# Altium PCB PCB1_done2.PcbDoc (part 3 of 3)
Units mil, origin at the board's own origin, x right, y up, seen from the top; angles counter-clockwise.
Board outline 3550 x 3775.2 mil, 8 copper layers (Top Layer, Top Signal Layer, Vbat-chrg, Internal Plane 1, GND-nBat, Internal Plane 2, Bottom Signal Layer, Bottom Layer), stack 71.302 mil thick; 235 components, 254 nets, 1011 pads, 192 vias.
Unrouted connection lines stored in the file: 5.
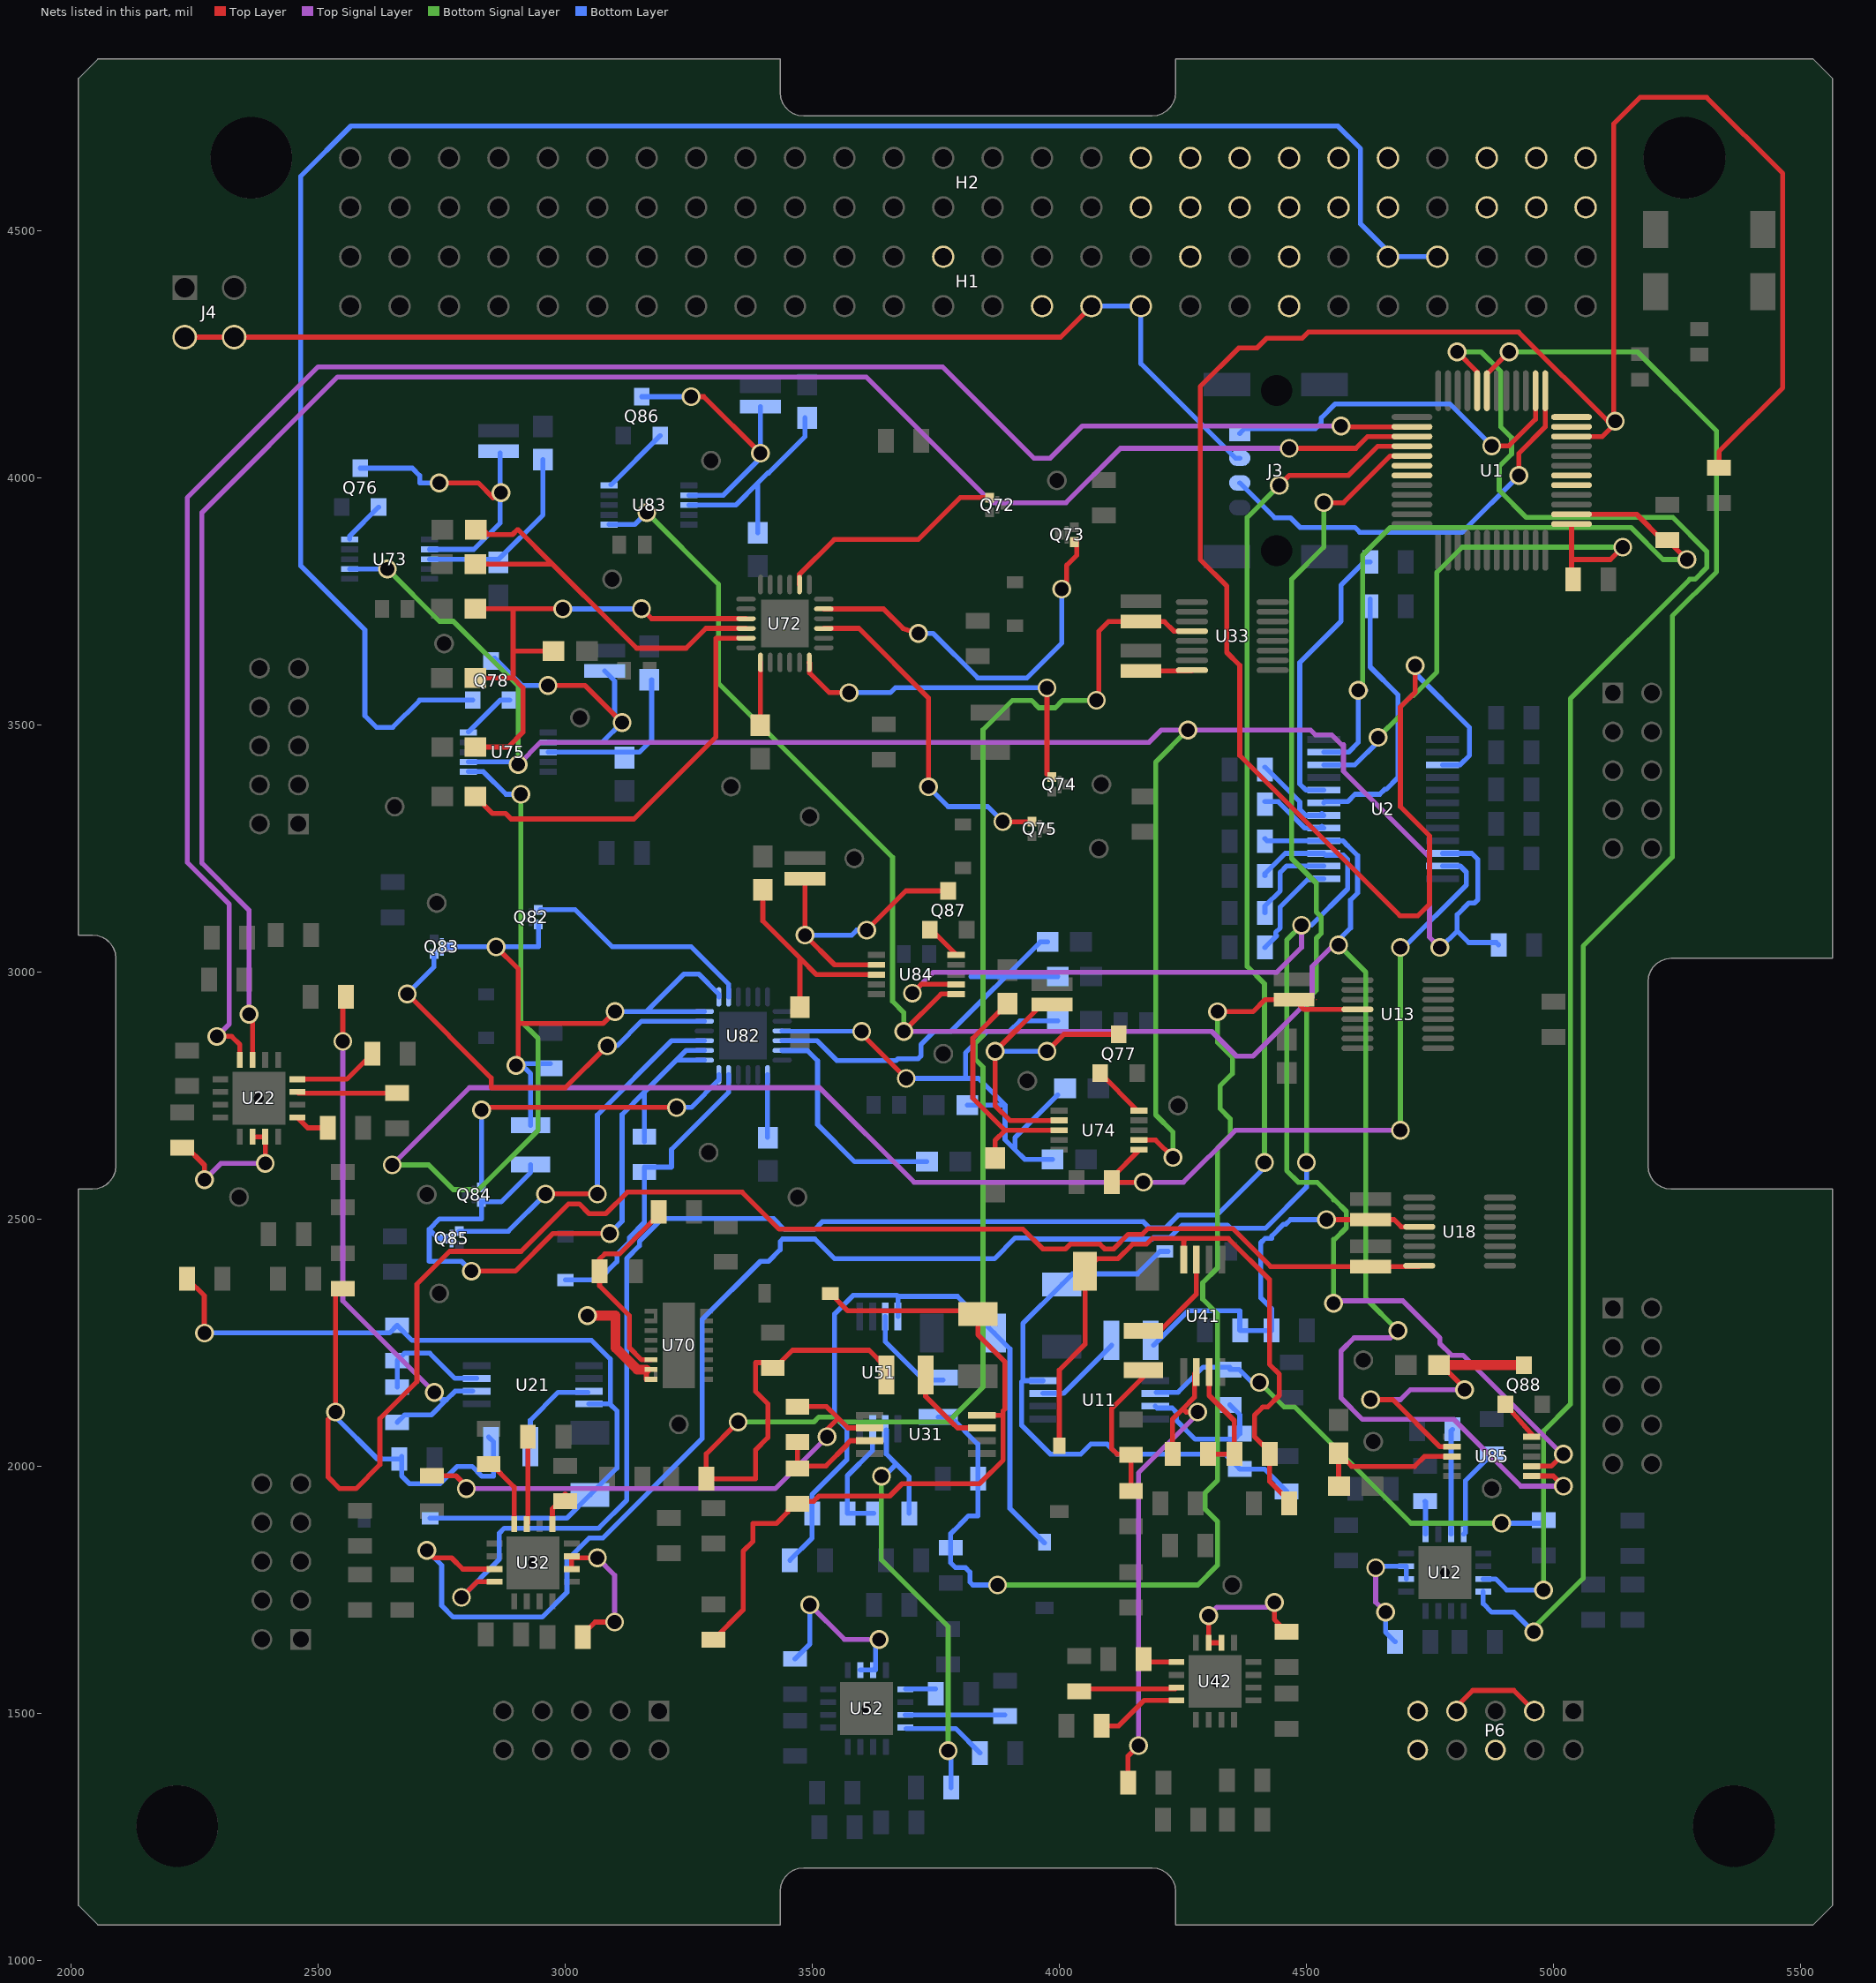
[diagram p9: the nets of this part, all layers, seen from the top]

## Via types
v1: diameter 38, hole 28, Top Layer to Bottom Layer, 183 vias
v2: diameter 17.87, hole 7.87, Top Layer to Bottom Layer, 8 vias
v3: diameter 38, hole 28, Top Layer to Bottom Layer, tented bottom, 1 vias

## Nets (pads, with @x,y where several pads share a name; then routed paths per layer and width w, separated by ;. In a path a pad name is that pad's centre, name@x,y a point inside that pad or via, vN(x,y) a via of type N, cw(c..) or ccw(c..) an arc to the next point about the centre after c; other vN are vias at no path point) (continued)
NetC87_2: C87.2 L82.1 Q82.2 Q83.3 Q83.4 U82.18 U82.19 | length 1274
  Top Layer w10: v1(2860.16,3051.22) 2905.16,3006.22 2905.16,2896.22 ; v1(2900.16,2811.22) 2905.16,2816.22 2905.16,2896.22 ; v1(3100.95,2920.43) 3076.73,2896.22 2905.16,2896.22
  Bottom Layer w10: Q83.3@2757.7,3051.22 v1(2860.16,3051.22) 2945.16,3051.22 2945.67,3051.73 Q82.2@2945.67,3096.46 ; L82.1@2930,2690 2930,2794.38 2909.16,2815.22 C87.2@2970.16,2815.22 ; v1(3100.95,2920.43) U82.18@3281.42,2920.43 ; 3165.16,2921.22 3240.16,2996.22 3270.16,2996.22 3310.95,2955.43 U82.19@3310.95,2949.96
NetC88_1: C88.1 D83.1 U82.11 | length 622.4
  Bottom Layer w10: D83.1@3000.16,2377.32 3067.32,2377.32 3104.5,2414.5 3104.5,2428.99 3130.16,2454.65 3130.16,2463.44 3160.16,2493.44 3160.16,2605.63 3214.57,2605.63 ; 3215.16,2606.22 3215.16,2641.22 3330.63,2756.69 U82.11@3330.63,2792.48
NetC88_2: C88.2 L82.2 Q84.2 Q85.3 Q85.4 U82.13 U82.14 | length 1425.7
  Top Layer w10: v1(2810,2395) 2898.94,2395 2975.16,2471.22 v1(3090.16,2471.22)
  Bottom Layer w10: Q85.3@2761.81,2461.22 Q85.3@2755.08,2461.22 2743.78,2461.22 2725,2480 ; v1(2810,2395) 2790,2415 2725,2415 2725,2480 ; 2826.06,2500.83 2745.83,2500.83 2725,2480 ; Q84.2@2830.51,2535.24 Q84.2@2830.67,2535.24 ; 2830.67,2500.83 Q84.2@2830.67,2535.24 ; L82.2@2930,2610.63 2930,2595 2870.24,2535.24 Q84.2@2830.67,2535.24 ; v1(3090.16,2471.22) 3115.16,2496.22 3115.16,2712.01 3160.16,2757.01 ; C88.2@3160.16,2657.22 3160.16,2757.01 ; U82.13@3281.42,2822.01 3225.16,2822.01 ; U82.14@3281.42,2841.69 3244.84,2841.69 3225.16,2822.01 ; 3160.16,2757.01 3225.16,2822.01
NetCf11_1: Cf11.1 Rf11.2 U11.7 | length 279.7
  Bottom Layer w10: U11.7@4194,2122 4198,2118 4228.21,2118 4237,2109.21 4237,2093 4275,2055 4354,2055 Rf11.2@4365,2066 4365,2104.57 Cf11.1@4345,2124.57
NetCf11_2: Cf11.2 Rf12.2 U11.6 | length 949.4
  Bottom Signal Layer w10: v1@4405,2172 v1(4405,2170) 4455,2120 4476.57,2120 4711.57,1885 v1(4895,1885)
  Bottom Layer w10: U11.6@4196.2,2150 4240,2150 4291,2201 Cf11.2@4345,2201 ; Cf11.2@4345,2196 4364,2196 4400,2160 4405,2165 v1(4405,2170) ; v1(4895,1885) 4974,1885 Rf12.2@4980,1891
NetCf21_1: Cf21.1 Rf21.2 U21.7 | length 241.9
  Bottom Layer w10: Cf21.1@2660,2160.43 Rf21.2@2660,2214 2675,2229 2726,2229 2777,2178 U21.7@2821,2178
NetCf21_2: Cf21.2 Rf22.2 U21.6 | length 1088.9
  Top Layer w10: v1(2550,2860) 2550,2944 Rf22.2@2556,2950
  Top Signal Layer w10: v1(2550,2860) 2550,2335 v1(2735,2150)
  Bottom Layer w10: Cf21.2@2660,2089 2675,2104 2729,2104 2760,2135 ; v1(2735,2150) 2750,2135 2760,2135 ; U21.6@2812.41,2152.2 2777.2,2152.2 2760,2135
NetCf31_1: Cf31.1 Rf31.2 U31.7 | length 216.6
  Top Layer w10: Cf31.1@3470,2049.57 3470,2001 3527.57,2001 3570,2043.43 3570,2045 3577,2052 U31.7@3616,2052
NetCf31_2: Cf31.2 Rf32.2 U31.6 | length 1069
  Top Layer w10: Rf32.2@2730,1981 2779,1981 2800,1960 v1(2800,1955) ; Cf31.2@3470,2121 3529,2121 3550.6,2099.4 ; v1(3530,2060) 3530,2075 3550.6,2095.6 3550.6,2099.4 ; U31.6@3616,2077.8 3572.2,2077.8 3550.6,2099.4
  Top Signal Layer w10: v1(2800,1955) 3425,1955 v1(3530,2060)
NetCf41_1: Cf41.1 Rf41.2 U41.7 | length 240.7
  Top Layer w10: Cf41.1@4300.43,2025 Rf41.2@4354,2025 4354,2092.57 4303,2143.57 U41.7@4303,2191
NetCf41_2: Cf41.2 Rf42.2 U41.6 | length 1027.1
  Top Layer w10: Rf42.2@4139,1360 4139,1414 v1(4160,1435) ; Cf41.2@4229,2025 4229,2095.57 4250,2116.57 ; U41.6@4277.2,2191 4273.61,2187.41 4273.61,2140.18 4250,2116.57 ; v1(4280,2110) 4256.57,2110 4250,2116.57
  Top Signal Layer w10: v1(4160,1435) 4160,1986.57 4280,2106.57 v1(4280,2110)
NetCf51_1: Cf51.1 Rf51.2 U51.7 | length 221.7
  Bottom Layer w10: U51.7@3622,2052 3622,2032 3571,1981 Rf51.2@3571,1905 Cf51.1@3624.57,1905
NetCf51_2: Cf51.2 Rf52.2 U51.6 | length 916.6
  Bottom Signal Layer w10: v1(3640,1980) 3640,1810.82 3775,1675.82 v1(3775,1425)
  Bottom Layer w10: v1(3640,1980) 3645,1980 3670,2005 ; U51.6@3650,2073.8 3650,2025 3670,2005 ; Cf51.2@3696,1905 3696,1979 3670,2005 ; v1(3775,1425) 3781,1419 Rf52.2@3781,1350
NetCout1_2: Cout1.2 Dout1.1 Rf11.1 Rs1.1 U11.4 | length 1210.2
  Bottom Layer w10: U11.4@3966.81,2173.39 3926.01,2173.39 ; Dout1.1@4220,2435 4203.71,2435 4158.21,2389.5 4026.5,2389.5 Cout1.2@4005,2368 3926.01,2289.01 3926.01,2173.39 ; Rs1.1@4460,1950 4415.43,1994.57 Rf11.1@4365,1994.57 4334.57,2025 4116.57,2025 4096.57,2045 4063.43,2045 4043.43,2025 3981.6,2025 3923.81,2082.79 3923.81,2171.19 3926.01,2173.39
NetCout2_2: Cout2.2 Dout2.1 Rf21.1 Rs2.1 U21.4 | length 1673.5
  Top Layer w10: Rs2.1@2235,2380 2269.57,2345.43 v1@2269.57,2265
  Bottom Layer w10: v1(2270,2270) 2644.57,2270 Rf21.1@2660,2285.43 2690.43,2255 3053.4,2255 3091.19,2217.21 3091.19,2125.69 3104.5,2112.37 3104.5,1996.5 Cout2.2@3050,1942 3003,1895 Dout2.1@2726.54,1895 ; U21.4@3048.19,2126.61 3090.26,2126.61
NetCout3_2: Cout3.2 Dout3.1 Rf31.1 Rs3.1 U31.4 | length 1507.4
  Top Layer w10: Rs3.1@3300,1649.57 3360,1709.57 ; 3360,1710 3360,1828.28 3380,1848.28 3380,1884.57 3427.42,1884.57 3450,1907.15 3450,1909.57 3470,1929.57 3502.93,1929.57 3513.36,1940 3656.57,1940 3681.57,1965 3838.4,1965 3886.19,2012.79 3886.19,2101.19 ; Dout3.1@3536.54,2350 3571.54,2315 3828,2315 Cout3.2@3835,2308 3835,2266.72 3889.5,2212.22 3889.5,2115.5 3886.19,2112.19 3886.19,2101.19 ; U31.4@3843.19,2103.39 3883.99,2103.39 3886.19,2101.19
NetCout4_2: Cout4.2 Dout4.1 Rf41.1 Rs4.1 U41.4 | length 1374
  Top Layer w10: Dout4.1@4000,2041.54 4000,2195 4052,2247 Cout4.2@4052,2395 4077,2420 4118.28,2420 4147.78,2449.5 4176.07,2449.5 4187.76,2461.19 4256.4,2461.19 ; U41.4@4251.61,2418.19 4251.61,2456.4 4256.4,2461.19 ; Rs4.1@4470,1925 4425.43,1969.57 Rf41.1@4425.43,2025 4425.43,2029.71 4395,2060.15 4395,2103.43 4411.57,2120 4421.57,2120 4445,2143.43 4445,2186.57 4425,2206.57 4425,2378.4 4342.21,2461.19 4256.4,2461.19
NetCout5_2: Cout5.2 Dout5.1 Rf51.1 Rs5.1 U51.4 | length 1434.8
  Bottom Layer w10: Rs5.1@3454.57,1810 3499.57,1855 Rf51.1@3499.57,1905 3499.57,1942.93 3570,2013.36 3570,2076.57 3545,2101.57 3545,2308.4 3582.79,2346.19 3671.19,2346.19 3673.39,2343.99 ; U51.4@3673.39,2303.19 3673.39,2343.99 ; Dout5.1@3970,1845 3900,1915 3900,2238 Cout5.2@3868,2270 3794.01,2343.99 3673.39,2343.99
NetJ4_1: 
NetLx1_2: Lx1.2 U11.3 | length 179.1
  Bottom Layer w10: U11.3@3966.81,2147.8 4008.43,2147.8 Lx1.2@4105.63,2245
NetLx2_2: Lx2.2 U21.3 | length 193.4
  Bottom Layer w10: Lx2.2@2929.37,2040 2929.37,2093.37 2986,2150 U21.3@3045.98,2150
NetLx3_2: Lx3.2 U31.3 | length 183.6
  Top Layer w10: Lx3.2@3729.37,2185 3729.37,2141.63 3786,2085 3786.57,2085 3793.77,2077.8 U31.3@3843.19,2077.8
NetLx4_2: Lx4.2 U41.3 | length 207.8
  Top Layer w10: Lx4.2@4170,2274.37 4203.37,2274.37 4277.2,2348.2 U41.3@4277.2,2418.19
NetLx5_2: Lx5.2 U51.3 | length 200.2
  Bottom Layer w10: U51.3@3647.8,2303.19 3647.8,2252.2 3725,2175 Lx5.2@3765,2175
NetQ72_1: Q72.1 U72.20 | length 466.6
  Top Layer w10: U72.20@3474.05,3784.21 3474.05,3805 3544.53,3875.47 3714.53,3875.47 3799.29,3960.24 Q72.1@3855.59,3960.24
NetQ73_1: Q73.1 U72.17 | length 787.4
  Top Layer w10: U72.17@3523.27,3735 3644.06,3735 3683.58,3695.47 v1(3714.53,3685.47) ; v1(4005,3775) 4011.93,3775 4015,3778.07 4015,3823.28 4035,3843.28 Q73.1@4035,3870.71
  Bottom Layer w10: v1(3714.53,3685.47) 3744.53,3685.47 3834.53,3595.47 3934.53,3595.47 4005,3665.95 v1(4005,3775)
NetQ74_1: Q74.1 U72.12 | length 700.5
  Top Layer w10: U72.12@3493.74,3626.73 3494.53,3625.95 3494.53,3605.47 3534.53,3565.47 v1(3574.53,3565.47) ; v1(3975,3575) 3975,3400.83 Q74.1@3981.06,3394.76
  Bottom Layer w10: v1(3574.53,3565.47) 3657.96,3565.47 3667.96,3575.47 v1@3970,3575.47
NetQ75_1: Q75.1 U72.15 | length 688.7
  Top Layer w10: U72.15@3523.27,3695.63 3594.37,3695.63 3735,3555 v1(3735,3375) ; v1(3885.47,3304.53) Q75.1@3944.49,3304.53
  Bottom Layer w10: v1(3735,3375) 3775,3335 3855,3335 v1(3885.47,3304.53)
NetQ76_1: Q76.1 U73.10 | length 88.8
  Bottom Layer w10: U73.10@2564,3876.47 2564,3882.7 Q76.1@2622.4,3941.1
NetQ76_3: Q76.3 R710.1 U73.2 | length 634.8
  Top Layer w10: v1(2745,3990) 2823.94,3990 2853.94,3960 2863.94,3970 v1(2870,3970)
  Bottom Layer w10: Q76.3@2585,4019.84 2690.63,4019.84 2705.63,4004.84 2705.63,3990 v1(2745,3990) v1@2745,3984.84 ; U73.2@2725.5,3855.47 2815,3855.47 2868.46,3908.94 R710.1@2868.46,4050.87
NetQ77_1: Q77.1 U74.10 | length 105.5
  Top Layer w10: Q77.1@4082.6,2795.63 U74.10@4157.23,2721
NetQ77_3: Q77.3 R713.1 U74.2 | length 671.1
  Top Layer w10: v1(3975,2840) 4009.37,2874.37 Q77.3@4120,2874.37 ; R713.1@3985,2936.54 3966.54,2936.54 v1(3870,2840) 3870,2730 3900,2700 U74.2@3999.5,2700
  Bottom Layer w10: v1(3870,2840) v1(3975,2840)
NetQ78_1: Q78.1 U75.10 | length 110.2
  Bottom Layer w10: U75.10@2804,3486 2868.63,3550.63 Q78.1@2887.4,3550.63
NetQ78_3: Q78.3 R716.1 U75.2 | length 598.1
  Top Layer w10: v1(2965,3580) 3040,3580 v1(3115,3505)
  Bottom Layer w10: Q78.3@2855.63,3635 2857.71,3635 2912.71,3580 v1(2965,3580) ; U75.2@2965.5,3465 3075,3465 v1(3115,3505) 3100,3520 3100,3589.33 R716.1@3080,3609.33
NetQ82_1: Q82.1 U82.20 | length 469.4
  Bottom Layer w10: Q82.1@2949.33,3126.22 3020.16,3126.22 3095.16,3051.22 3255.16,3051.22 3330.63,2975.75 U82.20@3330.63,2949.96
NetQ83_1: Q83.1 U82.17 | length 850.2
  Top Layer w10: v1(2680.16,2956.22) 2850.16,2786.22 2850.16,2766.22 3000.16,2766.22 v1(3085.16,2851.22)
  Bottom Layer w10: v1(2680.16,2956.22) 2734.65,3010.71 Q83.1@2734.65,3036.46 ; v1(3085.16,2851.22) 3105.16,2851.22 3154.69,2900.75 U82.17@3281.42,2900.75
NetQ84_1: Q84.1 U82.12 | length 670.3
  Top Layer w10: v1@2830.67,2726.22 v1(3225.16,2726.22)
  Bottom Layer w10: Q84.1@2830.67,2564.76 v1(2830.67,2721.22) ; v1(3225.16,2726.22) 3255.16,2726.22 3310.95,2782.01 U82.12@3310.95,2792.48
NetQ85_1: Q85.1 U82.15 | length 749.1
  Top Layer w10: v1(2960.16,2551.22) v1(3065.16,2551.22)
  Bottom Layer w10: Q85.1@2785.67,2475.98 2884.92,2475.98 v1(2960.16,2551.22) ; v1(3065.16,2551.22) 3065.16,2711.22 3215.32,2861.38 U82.15@3281.42,2861.38
NetQ86_1: Q86.1 U83.10 | length 140.9
  Bottom Layer w10: U83.10@3092.77,3986 Q86.1@3192.4,4085.63
NetQ86_3: Q86.3 R810.1 U83.2 | length 567.3
  Top Layer w10: v1(3255,4164.37) 3280.63,4164.37 v1(3395,4050)
  Bottom Layer w10: Q86.3@3155,4164.37 v1(3255,4164.37) ; U83.2@3250.5,3965 3320,3965 3395,4040 v1(3395,4050) R810.1@3395,4144.33
NetQ87_1: Q87.1 U84.10 | length 72.9
  Top Layer w10: Q87.1@3739.48,3087.52 U84.10@3791,3036
NetQ87_3: Q87.3 R813.1 U84.2 | length 610.7
  Top Layer w10: R813.1@3485,3189.33 v1(3485,3075) 3545,3015 3570,3015 U84.2@3629.5,3015 ; v1(3610,3085) 3689.37,3164.37 Q87.3@3775,3164.37
  Bottom Layer w10: v1(3485,3075) 3580,3075 3590,3085 v1(3610,3085)
NetQ88_1: Q88.1 U85.10 | length 87.2
  Top Layer w10: Q88.1@4902.6,2125.63 U85.10@4960,2060
NetQ88_3: Q88.3 R816.1 U85.2 | length 642.9
  Top Layer w10: v1(4630,2135) 4674.79,2135 4769.79,2040 U85.2@4794.5,2040 ; R816.1@4773.46,2205 4820,2158.46 v1(4820,2155)
  Top Layer w20: R816.1@4773.46,2205 Q88.3@4945,2205
  Top Signal Layer w10: v1(4630,2135) 4690,2135 4710,2155 v1(4820,2155)
NetR9_2: R9.2 U33.8 | length 102.8
  Top Layer w10: R9.2@4165,3609.33 U33.8@4267.76,3609.33
NetR14_1: R14.1 U12.16 | length 185.3
  Bottom Layer w10: U12.16@4818.39,1863 4821.43,1866.05 4821.43,1971.43 4821.87,1971.43 R14.1@4875,2024.57
NetR15_1: R15.1 U12.15 | length 213.1
  Bottom Layer w10: U12.15@4792.8,1863 4792.8,2072.36 R15.1@4795.43,2075
NetR16_1: R16.1 U12.13 | length 67
  Bottom Layer w10: R16.1@4740,1929.57 4741,1928.57 U12.13@4741,1863
NetR24_1: R24.1 U22.16 | length 172.9
  Top Layer w10: U22.16@2458,2783.39 2557.95,2783.39 R24.1@2609.57,2835
NetR25_1: R25.1 U22.15 | length 203
  Top Layer w10: U22.15@2458,2757.8 2460.36,2755.43 R25.1@2660,2755.43
NetR26_1: R26.1 U22.13 | length 70.3
  Top Layer w10: U22.13@2458,2706 2479,2685 R26.1@2519.57,2685
NetR34_1: R34.1 U32.16 | length 148.4
  Top Layer w10: R34.1@2845,2010 2896.61,1958.39 U32.16@2896.61,1883
NetR35_1: R35.1 U32.15 | length 193
  Top Layer w10: U32.15@2922.2,1883 2924.57,1885.36 R35.1@2924.57,2075
NetR36_1: R36.1 U32.13 | length 72.3
  Top Layer w10: U32.13@2974,1883 2974,1914 3000,1940 R36.1@3000,1944.57
NetR44_1: R44.1 U42.16 | length 172.9
  Top Layer w10: R44.1@4085.43,1475 4120,1475 4171.61,1526.61 U42.16@4237,1526.61
NetR45_1: R45.1 U42.15 | length 200.4
  Top Layer w10: R45.1@4040,1535 4054.57,1549.57 U42.15@4234.36,1549.57
NetR46_1: R46.1 U42.13 | length 69.1
  Top Layer w10: R46.1@4170.43,1610 4176.43,1604 U42.13@4237,1604
NetR54_1: R54.1 U52.16 | length 170.1
  Bottom Layer w10: U52.16@3690.05,1469.57 3790,1469.57 R54.1@3839.57,1420
NetR55_1: R55.1 U52.15 | length 202
  Bottom Layer w10: U52.15@3688,1497.2 R55.1@3890,1497.2
NetR56_1: R56.1 U52.13 | length 60.6
  Bottom Layer w10: U52.13@3689,1550 R56.1@3749.57,1550
NetR70_1: R70.1 R71.2 U70.6 | length 415.1
  Top Layer w10: U70.6@3173.9,2215.47 3154.53,2215.47 3130,2240 3130,2305 3069.57,2365.43 R70.1@3069.57,2395 3069.57,2419.57 3080,2430 3110,2430 R71.2@3189,2509
NetR72_1: R72.1 R73.2 U72.4 | length 828.1
  Top Layer w10: R73.2@2817.99,3895.47 2833.61,3895.47 2843.61,3885.47 2893.32,3885.47 2903.32,3895.47 2904.53,3895.47 2974.53,3825.47 ; R72.1@2818.53,3825.47 2974.53,3825.47 ; U72.4@3365.79,3695.63 3284.68,3695.63 3244.53,3655.47 3144.53,3655.47 3104.37,3695.63 2974.53,3825.47
NetR74_1: R74.1 R75.1 R76.2 R77.1 U72.3 | length 1085.3
  Top Layer w10: R75.1@2814.53,3735.47 2994.53,3735.47 v1(2995,3735) ; R74.1@2817.99,3595.47 2894.53,3595.47 ; R76.2@2818.53,3455.47 2884.53,3455.47 2914.53,3485.47 2914.53,3575.47 2894.53,3595.47 ; 2894.53,3735.47 2894.53,3650 ; R77.1@2976.54,3650 2894.53,3650 ; v1(3154.53,3735.47) 3174.68,3715.32 U72.3@3365.79,3715.32 ; 2894.53,3595.47 2894.53,3650
  Bottom Layer w10: v1(2995,3735) 3154.05,3735 v1(3154.53,3735.47)
NetR78_2: R78.2 U72.7 | length 126.5
  Top Layer w10: R78.2@3395.31,3500.26 U72.7@3395.31,3626.73
NetR79_2: R79.2 U72.5 | length 834.8
  Top Layer w10: R79.2@2818.53,3355.47 2852.78,3321.22 2879.36,3321.22 2890.58,3310 3139.05,3310 3305,3475.95 3305,3675.95 U72.5@3365.79,3675.95
NetR82_1: R82.1 R83.2 U82.4 | length 842.6
  Bottom Layer w10: U82.4@3438.9,2861.38 3509.46,2861.38 3549.62,2821.22 3669.65,2821.22 3673.43,2825 3714.13,2825 3720,2830.87 3720,2853.64 3746.36,2880 3780,2880 3961.22,3061.22 R83.2@3976.16,3061.22 ; 3820.69,2991.22 R82.1@3996.69,2991.22
NetR84_1: R84.1 R85.1 R86.2 R87.1 U82.3 | length 1185.9
  Top Layer w10: v1(3600,2880) 3600,2875 v1(3690,2785)
  Bottom Layer w10: U82.3@3438.9,2881.06 v1(3600,2880) ; v1(3690,2785) 3810,2785 ; R87.1@3813.62,2731.22 3890.16,2731.22 ; R86.2@3986.16,2621.22 3930.16,2621.22 3910,2641.38 ; R84.1@3996.46,2751.46 3910,2665 3910,2641.38 ; R85.1@3996.69,2901.22 3920.16,2901.22 3898.94,2880 3853.43,2880 3810,2836.57 3810,2785 ; 3810,2785 3836.38,2785 3890.16,2731.22 ; 3890.16,2731.22 3890.16,2661.22 3910,2641.38
NetR88_2: R88.2 U82.7 | length 126.5
  Bottom Layer w10: R88.2@3409.37,2666.01 U82.7@3409.37,2792.48
NetR89_2: R89.2 U82.5 | length 461.9
  Bottom Layer w10: U82.5@3438.9,2841.69 3439.37,2841.22 3490.16,2841.22 3510.63,2820.75 3510.63,2691.69 3585.79,2616.54 R89.2@3731.94,2616.54
NetR711_1: R711.1 R712.2 U73.3 | length 378.3
  Bottom Layer w10: U73.3@2725.5,3835.47 2865,3835.47 2955,3925.47 R711.1@2955,4037.01
NetR714_1: R714.1 R715.2 U74.3 | length 486.2
  Top Layer w10: R715.2@3870,2624 3870,2660 3890,2680 ; R714.1@3895,2936.54 3825,2866.54 3825,2745 3890,2680 ; U74.3@3999.5,2680 3890,2680
NetR717_1: R717.1 R718.2 U75.3 | length 341.4
  Bottom Layer w10: U75.3@2965.5,3445 3150,3445 3175,3470 R717.1@3175,3591.54
NetR811_1: R811.1 R812.2 U83.3 | length 430.9
  Bottom Layer w10: U83.3@3250.5,3945 3345,3945 3390,3990 ; R812.2@3390,3889 3390,3990 ; R811.1@3485,4121.54 3485,4083.43 3411.57,4010 3410,4010 3390,3990
NetR814_1: R814.1 R815.2 U84.3 | length 436.9
  Top Layer w10: R814.1@3400,3166.54 3400,3103.43 3475,3028.43 ; R815.2@3475,2929 3475,3028.43 ; U84.3@3629.5,2995 3533.43,2995 3508.43,2995 3475,3028.43
NetR817_1: R817.1 R818.2 U85.3 | length 300.5
  Top Layer w10: R818.2@4565,1959 R817.1@4565,2020 ; R817.1@4571.54,2020 4591.54,2000 4718.76,2000 4738.76,2020 U85.3@4794.5,2020
PA0: H2.47
PA1: H2.48
PA2: H2.49
PA3: H2.50
PA22: H1.26
PA30: H1.40
PA31: H1.39
PB26: H1.36
PC11: H2.51
PC16: H2.52
PC17: H2.34
PC18: H2.33
PC19: H2.36
PC20: H2.35
PC21: H2.38
PC22: H2.37
PC23: H2.40
PC24: H2.39
PC25: H2.42
PC26: H2.41
PC27: H2.44
PC28: H2.43
PTT: H1.44 H1.46 Q78.2 | length 3943.8
  Bottom Layer w10: Q78.2@2812.6,3550.63 2705,3550.63 2705,3549.38 2651.1,3495.47 2617.96,3495.47 2594.53,3518.9 2594.53,3692.58 2465,3822.11 2465,4610.57 2566.56,4712.13 4563.44,4712.13 4609.53,4666.04 4609.53,4514.02 4665,4458.54 H1.44@4665,4447.6 H1.46@4765,4447.6
RESET: R18.1 U1.46 U2.3 | length 4859.8
  Top Layer w10: v1(4720,3620) 4720,3566.57 4690,3536.57 4690,3334.85 4749.07,3275.78 4749.07,3137.65 4725.64,3114.22 4689.22,3114.22 4365,3438.43 4365,3620.81 4338.75,3647.06 4338.75,3781.25 4285,3835 4285,4185 4363.07,4263.07 4400.01,4263.07 4420.01,4283.07 4491.73,4283.07 4503.66,4295 4929.68,4295 5109.68,4115 v1(5125,4115) 5122,4118 5122,4717 5175,4770 5310,4770 5463.86,4616.14 5463.86,4182.26 5335,4053.4 R18.1@5335,4020.43 ; U1.46@5036.42,4083.9 5098.9,4083.9 v1@5127.5,4112.5
  Bottom Layer w10: v1(4720,3620) 4720,3605 4830,3495 4830,3438.51 4811.06,3419.57 U2.3@4775.08,3419.57
RST: J3.1 U1.2 | length 744.5
  Top Layer w10: v1(4875,4065) 4910,4065 4963.58,4118.58 U1.2@4963.58,4176.42
  Bottom Layer w10: J3.1@4365,4090 4375,4100 4518.43,4100 4530,4111.57 4530,4121.57 4558.43,4150 4790,4150 v1(4875,4065)
SC3: R133.2 U2.11 U74.6 U75.6 | length 4199
  Top Layer w10: U74.6@4161,2639.32 4106,2584.32 R133.2@4106,2575 v1(4170,2575)
  Top Signal Layer w10: v1(2650,2610) 2806.22,2766.22 3514.69,2766.22 3705.91,2575 v1(4170,2575) 4250.98,2575 4355.98,2680 v1(4690,2680)
  Bottom Signal Layer w10: v1(2650,2610) 2723.64,2610 2773.64,2560 2825,2560 2945,2680 2945,2866.06 2910,2901.06 v1(2910,3360) ; v1(4690,2680) v1(4690,3050)
  Bottom Layer w10: U75.6@2804,3405.63 2834.37,3405.63 2880,3360 v1(2910,3360) ; v1(4690,3050) 4697.39,3050 4823.54,3176.15 4823.54,3202.35 4811.06,3214.84 U2.11@4775.08,3214.84
SC4: R142.2 U2.14 | length 188.1
  Bottom Layer w10: R142.2@4416,3120 4416,3133.79 4447,3164.79 4447,3202 4459.84,3214.84 U2.14@4534.92,3214.84
SC5: R152.2 U2.16 U83.6 U84.6 U85.6 | length 4574.5
  Top Layer w10: v1(3685,2880) 3760.63,2955.63 U84.6@3791,2955.63 ; U85.6@4956,1980.63 4999.37,1980.63 v1(5020,1960)
  Top Signal Layer w10: v1(3685,2880) 4308.43,2880 4358.43,2830 4391.57,2830 4511.57,2950 4511.57,3011.57 4560,3060 v1(4565,3055) ; v1(4685,2275) 4670,2260 4596.36,2260 4570,2233.64 4570,2138.43 4613.43,2095 4798.64,2095 4933.64,1960 v1(5020,1960)
  Bottom Signal Layer w10: v1(3165,3930) 3310,3785 3310,3585 3662.5,3232.5 3662.5,2940.93 3685,2918.43 v1(3685,2880) ; v1(4565,3055) 4620,3000 4620,2340 v1(4685,2275)
  Bottom Layer w10: U83.6@3089,3905.63 3140.63,3905.63 v1(3165,3930) ; R152.2@4416,3270 R152.2@4416.28,3269.72 ; R152.2@4419.98,3266.02 U2.16@4534.92,3266.02 4573.59,3266.02 4580,3259.62 4580,3258.43 4581.7,3256.73 4582.88,3256.73 4603.39,3236.23 4603.39,3160.1 4589.12,3145.84 4589.12,3089.12 4560,3060 v1(4565,3055)
SC6: R162.2 U2.18 | length 173.4
  Bottom Layer w10: R162.2@4416,3415 4486.46,3344.54 4486.46,3329.69 4498.94,3317.2 U2.18@4534.92,3317.2 U2.18@4531.22,3320.91
SC7: R172.2 U2.20 | length 568.7
  Bottom Layer w10: U2.20@4534.92,3368.39 4498.94,3368.39 4486.46,3380.87 4486.46,3626.46 4570,3710 4570,3782.84 4617.16,3830 R172.2@4629,3830
SCA: R100.1 U1.38 U2.23 | length 1473.5
  Top Layer w10: U1.38@5036.42,3926.42 5168.15,3926.42 5220,3874.57 R100.1@5230,3874.57 5269.57,3835 v1(5270,3835)
  Top Signal Layer w10: v1@4613.43,3570 v1(4605,3570) v1@4620,3570
  Bottom Signal Layer w10: v1@4613.43,3570 4613.43,3843.43 4670,3900 5156.57,3900 5221.57,3835 v1(5270,3835)
  Bottom Layer w10: U2.23@4534.92,3445.16 4585.16,3445.16 4605,3465 v1(4605,3570) v1@4620,3570
SD3: R132.2 U2.10 U73.7 U74.7 U75.7 | length 4288.9
  Top Layer w10: U74.7@4161,2660.32 4194.69,2660.32 v1(4230,2625)
  Top Signal Layer w10: v1(2905,3420) 2950,3465 4181.57,3465 4206.57,3490 v1(4260,3490) 4508.27,3490 4518.35,3479.92 4551.49,3479.92 4575,3456.41 4575,3460 ; 4574.92,3460 4574.92,3406.65 4749.07,3232.5 4749.07,3070.93 v1(4770,3050)
  Bottom Signal Layer w10: v1(2640,3815.79) 2745.79,3710 2773.64,3710 2905,3578.64 v1(2905,3420) ; v1(4230,2625) 4230,2676.36 4195,2711.36 4195,3425 v1(4260,3490)
  Bottom Layer w10: U73.7@2564,3815.79 v1(2640,3815.79) ; U75.7@2804,3425.32 2899.68,3425.32 v1(2905,3420) ; v1(4770,3050) 4771.57,3050 4805,3083.43 ; U2.10@4775.08,3240.43 4834.57,3240.43 4847,3228 4847,3147 4840,3140 4828.43,3140 4805,3116.57 4805,3083.43 ; R132.2@4889,3055 4884,3060 4828.43,3060 4805,3083.43
SD4: R143.2 U2.13 | length 208.3
  Bottom Layer w10: R143.2@4416,3050 4439.72,3073.72 4437.57,3075.86 4437.57,3080.36 4447,3089.79 4447,3132 4504.25,3189.25 U2.13@4534.92,3189.25
SD5: R153.2 U2.15 U84.7 U85.7 | length 2883.4
  Top Layer w10: v1(3702.5,2957.5) 3720.32,2975.32 U84.7@3791,2975.32 ; U85.7@4956,2000.32 4995.31,2000.32 v1(5020,2025)
  Top Signal Layer w10: v1(3702.5,2957.5) 3745,3000 4440,3000 4490,3050 v1(4490,3095) ; v1(4555,2330) 4560,2335 4695,2335 4770,2260 4770,2248.43 4793.43,2225 4816.72,2225 5016.72,2025 v1(5020,2025)
  Bottom Signal Layer w10: v1(4490,3095) 4460,3065 4460,2598.43 4483.43,2575 4521.57,2575 4555,2541.57 4555,2539.33 4557.24,2539.33 4580.67,2515.9 4580.67,2482.76 4557.24,2459.33 4555,2459.33 v1(4555,2330)
  Bottom Layer w10: R153.2@4416,3195 4416,3199.28 4457.15,3240.43 U2.15@4534.92,3240.43 4538.62,3236.73 4574.6,3236.73 4583.39,3227.95 4583.39,3168.39 4510,3095 v1(4490,3095)
SD6: R163.2 U2.17 | length 146.3
  Bottom Layer w10: R163.2@4416,3345 4442.86,3345 4496.25,3291.61 U2.17@4534.92,3291.61 U2.17@4531.22,3295.31
SD7: R173.2 U2.19 | length 555.8
  Bottom Layer w10: U2.19@4534.92,3342.8 4537.13,3345 4583.43,3345 4598.43,3360 4648.28,3360 4658.28,3370 4661.57,3370 4685,3393.43 4685,3561.57 4629,3617.57 R173.2@4629,3755
SDA: R101.1 U1.37 U2.22 | length 1146
  Top Layer w10: 5036.42,3835 5115,3835 v1(5140,3860) ; U1.37@5036.42,3905.51 5036.42,3798.15 R101.1@5039.57,3795
  Bottom Signal Layer w10: v1(4645,3475) 4690,3520 4690,3536.57 4713.43,3560 4716.57,3560 4764,3607.43 4764,3809 4815,3860 v1(5140,3860)
  Bottom Layer w10: U2.22@4534.92,3419.57 4598,3419.57 4645,3466.57 v1(4645,3475)
SOLARNX: Cin2.1 Lx2.1 R19.2 R23.2 U18.8 | length 3663.5
  Top Layer w10: Cin2.1@2550,2359.57 2535,2344.57 v1(2535,2110) 2520,2095 2520,1978.43 2543.43,1955 2576.57,1955 2625,2003.43 2625,2096.57 2700,2171.57 2700,2368.64 2766.36,2435 2910.65,2435 3006.87,2531.22 3028.59,2531.22 3048.59,2511.22 3081.73,2511.22 3125.51,2555 3358.28,2555 3433.28,2480 3926.57,2480 3966.57,2440 4012.29,2440 4021.79,2449.5 4082.21,2449.5 4091.71,2440 4109.99,2440 4139.49,2469.5 4167.78,2469.5 4179.47,2481.19 4350.5,2481.19 4427.36,2404.33 R19.2@4630,2404.33 4727.76,2404.33 U18.8@4728.31,2404.88
  Bottom Layer w10: v1(2535,2110) 2535,2100 2620,2015 R23.2@2664,2015 ; R23.2@2669,2020 2669,1981 2685,1965 2746.65,1965 2781.65,2000 2811.57,2000 2831.57,1980 2855,1980 2855,2049.41 Lx2.1@2845,2059.41
SOLARNY: Cin4.1 Lx4.1 R43.2 | length 298.9
  Top Layer w10: Cin4.1@4145,1950.43 R43.2@4145,2023.43 4143.43,2025 4116.57,2025 4106,2035.57 4106,2117.08 Lx4.1@4176.96,2188.04
SOLARNZ: Cin5.1 Lx5.1 R1.2 R53.2 U13.4 | length 2474.2
  Top Layer w0: 4520,2944.33 4520.51,2944.84
  Top Layer w10: v1(4320,2920) 4391.57,2920 4415.9,2944.33 R1.2@4475,2944.33 4494.49,2924.84 U13.4@4603.31,2924.84
  Bottom Signal Layer w10: v1(3875,1760) 4280,1760 4320,1800 4320,1888.43 4295,1913.43 4295,1946.57 4320,1971.57 4320,2308.43 4290,2338.43 4290,2371.57 4320,2401.57 4320,2644.02 4345.94,2669.97 4345.94,2703.1 4325,2724.05 4325,2769.49 4350.16,2794.65 4350.16,2827.79 4320,2857.95 v1(4320,2920)
  Bottom Layer w10: Lx5.1@3755,2100 3780,2100 3835,2045 3835,1900 3816,1900 3810,1894 3810,1893.43 3786.57,1870 3786,1870 3780,1864 Cin5.1@3780,1835.43 3780,1805 3790,1795 3810.21,1795 3819,1786.21 3819,1766 3825,1760 v1(3875,1760)
SOLARX: Cin1.1 Lx1.1 R3.2 R13.2 U18.4 | length 843.1
  Top Layer w10: v1(4540.67,2499.33) R3.2@4630,2499.33 4677.36,2499.33 4691.85,2484.84 U18.4@4728.31,2484.84
  Bottom Layer w10: Lx1.1@4190.59,2245 4260.59,2315 4365,2315 4365,2276 R13.2@4366,2275 Cin1.1@4429.57,2275 4429.57,2318.86 4409.22,2339.22 4407.5,2340.93 4407.5,2452.5 4416.54,2461.54 4429.82,2461.54 4430,2461.72 4430,2466.57 4453.43,2490 4458.28,2490 4467.61,2499.33 v1(4540.67,2499.33)
SOLARY: Cin3.1 Lx3.1 R33.2 R115.2 U33.4 | length 3314.4
  Top Layer w10: v1(3350,2090) 3285.43,2025.43 Cin3.1@3285.43,1975 3385,1975 ; 3385.43,1975 3385.43,2033.75 3410,2058.32 3410,2126.68 3385.43,2151.25 3385.43,2210 R33.2@3439,2210 ; R33.2@3429.5,2204.5 3460,2235 3615,2235 3649.41,2200.59 Lx3.1@3649.41,2170 ; v1@4080,3550 4080,3690 4099.33,3709.33 R115.2@4165,3709.33 4212.36,3709.33 4231.85,3689.84 U33.4@4268.31,3689.84
  Bottom Signal Layer w10: v1(3350,2090) 3503.43,2090 3513.43,2100 3546.57,2100 3556.57,2090 3775,2090 3845.47,2160.47 3845.47,2807.96 3830,2823.43 3830,2856.57 3845.47,2872.04 3845.47,3490.47 3905,3550 3943.43,3550 3958.43,3535 3991.57,3535 4006.57,3550 v1(4075,3550)
ST1NX: U1.14 U22.4 | length 3912.2
  Top Layer w10: v1(2295,2870) 2325,2870 2341.61,2853.39 U22.4@2341.61,2822.76 ; v1(4570,4105) 4571.42,4103.58 U1.14@4713.58,4103.58
  Top Signal Layer w10: v1(2295,2870) 2320,2895 2320,3137.35 2235,3222.35 2235,3960 2500,4225 3763.43,4225 3948.43,4040 3981.57,4040 4046.57,4105 v1(4570,4105)
ST1NY: U1.18
ST1NZ: U1.47
ST1X: U1.7 U12.4 | length 3317
  Top Layer w10: U1.7@4865.16,4176.42 4865.16,4210.16 v1(4910,4255)
  Bottom Signal Layer w10: v1(4910,4255) 5170,4255 5330,4095 5330,3810.15 5240.31,3720.46 5240.31,3232.82 5060,3052.5 5060,1773.43 4960,1673.43 v1(4960,1665)
  Bottom Layer w10: U12.4@4857.76,1746.61 4857.76,1722.24 4875,1705 4920,1705 v1(4960,1665)
ST1Y: U1.16 U32.4 | length 4139.2
  Top Layer w10: v1(2790,1735) 2821.61,1766.61 U32.4@2857.24,1766.61 ; v1(4445,3985) 4465,4005 4585,4005 4644.21,4064.21 U1.16@4713.58,4064.21
  Bottom Signal Layer w10: v1(4415,2615) 4415,2976.57 4380,3011.57 4380,3920 v1(4445,3985)
  Bottom Layer w10: v1(2790,1735) 2866.5,1811.5 2866.5,1864.71 2876.79,1875 3067.71,1875 3124.5,1931.79 3124.5,2420.71 3150.16,2446.37 3150.16,2455.16 3196.54,2501.54 3421.54,2501.54 3443.08,2480 3505,2480 3520,2495 4170.03,2495 4182.23,2482.8 4182.43,2482.8 4214.93,2482.8 4240.51,2508.37 4318.37,2508.37 4415,2605 v1(4415,2615)
ST2NX: U1.15 U22.3 | length 3872.6
  Top Layer w10: v1(2360,2915) 2367.2,2907.8 U22.3@2367.2,2822.76 ; v1(4465,4060) 4600,4060 4623.9,4083.9 U1.15@4713.58,4083.9
  Top Signal Layer w10: v1(2360,2915) 2360,3125.64 2265,3220.64 2265,3930 2539.37,4204.37 3609.06,4204.37 3863.43,3950 4013.64,3950 4123.64,4060 v1(4465,4060)
ST2NY: U1.19
ST2NZ: U1.48
ST2X: U1.8 U12.3 | length 3306.9
  Top Layer w10: v1(4805,4255) 4845.47,4214.53 U1.8@4845.47,4176.42
  Bottom Signal Layer w10: v1(4805,4255) 4853.43,4255 4893.43,4215 4893.43,4103.14 4915,4081.57 4915,4048.43 4890,4023.43 4890,3975 4945,3920 5241.57,3920 5310,3851.57 5310,3818.43 5286.57,3795 5275.64,3795 5034.21,3553.58 5034.21,2125.93 4980,2071.72 v1(4980,1750)
  Bottom Layer w10: U12.3@4857.76,1772.2 4882.8,1772.2 4905,1750 v1(4980,1750)
ST2Y: U1.17 U32.3 | length 4293.7
  Top Layer w10: v1(2720,1830) 2735,1815 2770,1815 2792.8,1792.2 U32.3@2857.24,1792.2 ; v1(4535,3950) 4575,3950 4669.53,4044.53 U1.17@4713.58,4044.53
  Bottom Signal Layer w10: v1(4500,2615) 4500,2943.43 4520,2963.43 4520,3068.43 4530,3078.43 4530,3111.57 4520,3121.57 4520,3180 4470,3230 4470,3795 4535,3860 v1(4535,3950)
  Bottom Layer w10: v1(2720,1830) 2750,1800 2750,1718.43 2773.43,1695 2953.21,1695 3003.5,1745.29 3003.5,1810.07 3048.43,1855 3076,1855 3277.05,2056.05 3277.05,2297.05 3395,2415 3411.57,2415 3435,2438.43 3435,2455 3440,2460 3505.21,2460 3545.21,2420 3868.43,2420 3910.93,2462.5 3944.07,2462.5 3946.57,2460 4187.72,2460 4190.52,2462.8 4190.72,2462.8 4223.21,2462.8 4248.79,2488.37 4339.96,2488.37 4346.79,2481.54 4416.68,2481.54 4500,2564.85 v1(4500,2615)
STLINK-SWIM: J3.3 U1.1 | length 847.5
  Top Layer w10: v1(4930,4005) 4930,4050 4983.27,4103.27 U1.1@4983.27,4176.42
  Bottom Layer w10: J3.3@4365,3990 4435.51,3919.49 4467.35,3919.49 4487.03,3899.8 4598,3899.8 4607.8,3890 4815,3890 v1(4930,4005)
SWITCHES.3.NC: P6.3 P6.7 | length 201.4
  Top Layer w10: P6.7@4803.78,1505 4803.78,1513.78 4836.57,1546.57 4919.69,1546.57 P6.3@4961.26,1505
  Bottom Layer w10: P6.3@4961.26,1505 P6.3@4965.64,1505
SWITCHES.6.NO: P6.6
SWITCHES.9.NO: P6.9
SWITCHES.10.COM.COM: H1.31 H1.33 J3.2 J4.2 J4.3 P6.10 | length 2356.4
  Top Layer w10: J4.2@2230,4285 J4.3@2330,4285 4002.4,4285 H1.31@4065,4347.6
  Bottom Layer w10: H1.31@4065,4347.6 H1.33@4165,4347.6 4165,4231.39 4356.39,4040 J3.2@4365,4040
UART_RX: U1.42
UART_TX: U1.41
VCHRG: C17.1 C27.1 C37.1 C47.1 C57.1 U12.10 U12.11 U22.10 U22.11 U32.10 U32.11 U42.10 U42.11 U52.10 U52.11 U70.7 U70.8 | length 1770.4
  Top Layer w10: C27.1@2230,2649.57 2270,2609.57 v1(2270,2580) ; U22.10@2367.2,2667 U22.11@2393,2667 v1(2393,2613) ; U32.10@3013,1792.2 U32.11@3013,1818 3016,1815 v1(3065,1815) ; C37.1@3035.43,1660 3060.43,1685 v1(3100,1685) ; U70.8@3164.21,2176.1 U70.7@3164.21,2195.55 ; v1(4302,1698) U42.11@4302,1643 U42.10@4327.8,1643 ; v1(4435,1725) 4435,1690.43 C47.1@4460,1665.43
  Top Layer w20: v1(3045,2305) 3101.65,2305 3101.65,2240 3146.1,2195.55 U70.7@3164.21,2195.55
  Top Signal Layer w10: v1(2270,2580) 2303,2613 v1(2393,2613) ; v1@3065,1806.79 v1(3065,1815) 3100,1780 v1(3100,1685) ; v1(3495,1720) 3565,1650 v1(3635,1650) ; v1(4302,1698) 4319,1715 4425,1715 v1(4435,1725) ; v1(4640,1795) 4640,1725 v1(4660,1705)
  Bottom Layer w10: C57.1@3465,1610.43 3495,1640.43 v1(3495,1720) ; U52.10@3597.2,1588 U52.11@3623,1588 U52.11@3628,1593 ; U52.11@3628,1588 U52.11@3628,1593 ; v1(3635,1650) 3628,1643 U52.11@3628,1593 ; v1(4640,1795) 4643,1798 U12.11@4702,1798 U12.10@4702,1772.2 ; v1(4660,1705) 4660,1664.57 C17.1@4679.57,1645
WKUP: H1.29
pads on no net: H1.32 H1.41 H1.43 J3.0 J3.GND P5.2 P5.4 P5.6 U1.3 U1.4 U1.5 U1.6 U1.13 U1.20 U1.21 U1.22 U1.23 U1.24 U1.25 U1.26 U1.27 U1.28 U1.29 U1.30 U1.31 U1.32 U1.33 U1.34 U1.35 U1.36 U1.43 U11.2 U12.8 U12.14 U12.EP@5 U13.2 U13.5 U13.6 U13.9 U13.12 U13.14 U13.16 U18.2 U18.5 U18.9 U18.12 U18.16 U21.2 U22.8 U22.14 U22.EP@5 U31.2 U32.8 U32.14 U32.EP@5 U33.2 U33.6 U33.9 U33.12 U33.13 U33.16 U41.2 U42.3 U42.4 U42.8 U42.14 U42.EP@5 U51.2 U52.3 U52.4 U52.8 U52.14 U52.EP@5 U70. U70.3 U70.4 U70.5 U70.11 U70.12 U70.13 U70.14 U72.9 U73.4 U73.6 U74.4 U75.4 U82.9 U83.4 U83.7 U84.4 U85.4 X1.2 X1.3

## Polygon pours and split planes (outlines as drawn)
ARRAYNX.3.NEG on Bottom Layer "Bottom Layer Pour" (solid, pour order 9): 2075,4815 3375,4815 3425,4765 3425,4735 4265,4735 4300,4770 4300,4810 5505,4810 5510,4815 5515,4810 5515,3075 5250,3075 5155,2980 5160,2975 5160,2575 5175,2575 5230,2520 5240,2510 5520,2510 5520,1150 5490,1120 5485,1115 4285,1115 4285,1180 4260,1205 4245,1220 3415,1220 3415,1130 3395,1110 3385,1100 2075,1100 2075,2505 2060,2520 2155,2615 2155,3065 2135,3085 2065,3155 2050,3155 2050,4790 2075,4815
ARRAYNX.3.NEG on Top Layer "Top Layer Pour" (solid, pour order 7): 2125,4820 2105,4800 2065,4800 3325,4800 3340,4785 3435,4690 3460,4690 4220,4690 4260,4730 4295,4765 4295,4810 5485,4810 5510,4835 5510,3075 5190,3075 5160,3045 5150,3035 5150,2615 5150,2570 5190,2530 5210,2510 5510,2510 5510,1140 5485,1115 5480,1120 4300,1120 4300,1170 4270,1200 4255,1215 4200,1215 3475,1215 3440,1250 3395,1205 3395,1115 2065,1115 2050,1130 2035,1145 2035,2520 2040,2520 2130,2610 2140,2620 2140,3085 2115,3085 2050,3150 2045,3155 2045,4795
SWITCHES.10.COM.COM on GND-nBat "Vbatt" (solid, pour order 6): 4020,4295 4020,4395 5490,4395 5510,4375 5515,4370 5515,3735 5515,3085 5510,3080 5505,3075 5150,3075 5150,2525 5155,2520 5170,2505 5510,2505 5510,1215 5425,1130 5410,1115 4860,1115 4570,1115 4570,1454.59 4570,1500.22 4767.5,1465 4767.5,1358.42 5150,1345 5240,1555 5275,1590 5275,2355 5235,2355 5215,2375 5030,2375 5005,2422.24 5005,2450 5005,3285 5265,3285 5265,3315 5265,3365 5265,4175 5235,4175 5135,4275 5115,4295 4020,4295 4110,4295 4090,4295
ARRAYNX.3.NEG on GND-nBat "Vbatt" (solid, pour order 8): 5500,4410 5500,4780 5480,4800 4295,4800 4295,4745 4245,4695 3415,4695 3370,4740 3370,4800 2105,4800 2085,4780 2070,4765 2070,3140 2135,3075 2135,2555 2130,2555 2080,2505 2070,2495 2070,1180 2070,1175 2125,1120 3365,1120 3365,1155 3435,1225 4245,1225 4245,1205 4300,1150 4330,1120 4525,1120 4525,1370 4530,1375 4545,1390 4545,1520 4725,1520 4780,1465 4775,1460 4775,1385 4775,1380 4790,1365 4795,1360 5135,1360 5135,1470 5260,1595 5255,1600 5255,2335 5055,2335 4990,2400 4990,2420 4990,3285 5005,3300 5010,3295 5250,3295 5250,4155 5230,4155 5110,4275 5105,4280 4020,4280 4010,4280 3995,4295 4005,4305 4005,4370 4005,4405 4010,4410 5500,4410
ARRAYNZ.8.NC on Vbat-chrg "Vin" (solid, pour order 2): 4710.19,4791.51 5496.57,4798.43 5521.57,4773.43 5521.57,3073.43 5156.57,3073.43 5151.57,3068.43 5146.57,3063.43 5146.57,2523.43 5521.57,2523.43 5521.57,2043.17 5146.57,2043.17 5070.28,2044.63 5015,2044.63 4996.57,2281.88 4996.57,2373.43 4714.53,4231.12
ARRAYNZ.10.COM on Vbat-chrg "Vbatt" (solid, pour order 10): 5010,2035 5520,2035 5520,1845 4780,1845 4670,1955 4540,2085 4540,2335 4540,2340 4305,2575 4140,2740 2775,2740 2775,2980 2580,3175 2585,3180 2585,4090 2885,4090 3040,4245 3045,4240 3770,4240 4675,4240 4685,4230
VCHRG on Vbat-chrg "Vbatt" (solid, pour order 12): 4255,4705 4280,4730 4280,4800 4675,4800 4680,4795 4685,4790 4685,4265 3030,4265 2880,4115 2875,4110 2555,4110 2555,3155 2595,3115 2745,2965 2755,2965 2755,2720 2780,2695 4140,2695 4165,2695 4515,2345 4515,2070 4525,2070 4780,1815 4785,1820 5520,1820 5520,1185 5465,1130 4305,1130 4305,1165 4225,1245 4220,1240 3405,1240 3405,1205 3335,1135 3330,1140 2125,1140 2125,1165 2070,1220 2085,1235 2085,2480 2085,2500 2185,2600 2160,2625 2160,3095 2135,3095 2075,3155 2080,3160 2080,4785 3365,4785 3370,4780 3415,4735 3415,4705 3415,4700 3430,4685 3440,4695 4245,4695
3V3 on Internal Plane 1 (split plane): 401 vertices, not listed, extent 2035.1,1092.5 5544.9,4827.5
5V on Internal Plane 2 (split plane): 401 vertices, not listed, extent 2035.1,1092.5 5544.9,4827.5